# Altium PCB pcb_88.PcbDoc (part 3 of 3) (continued)
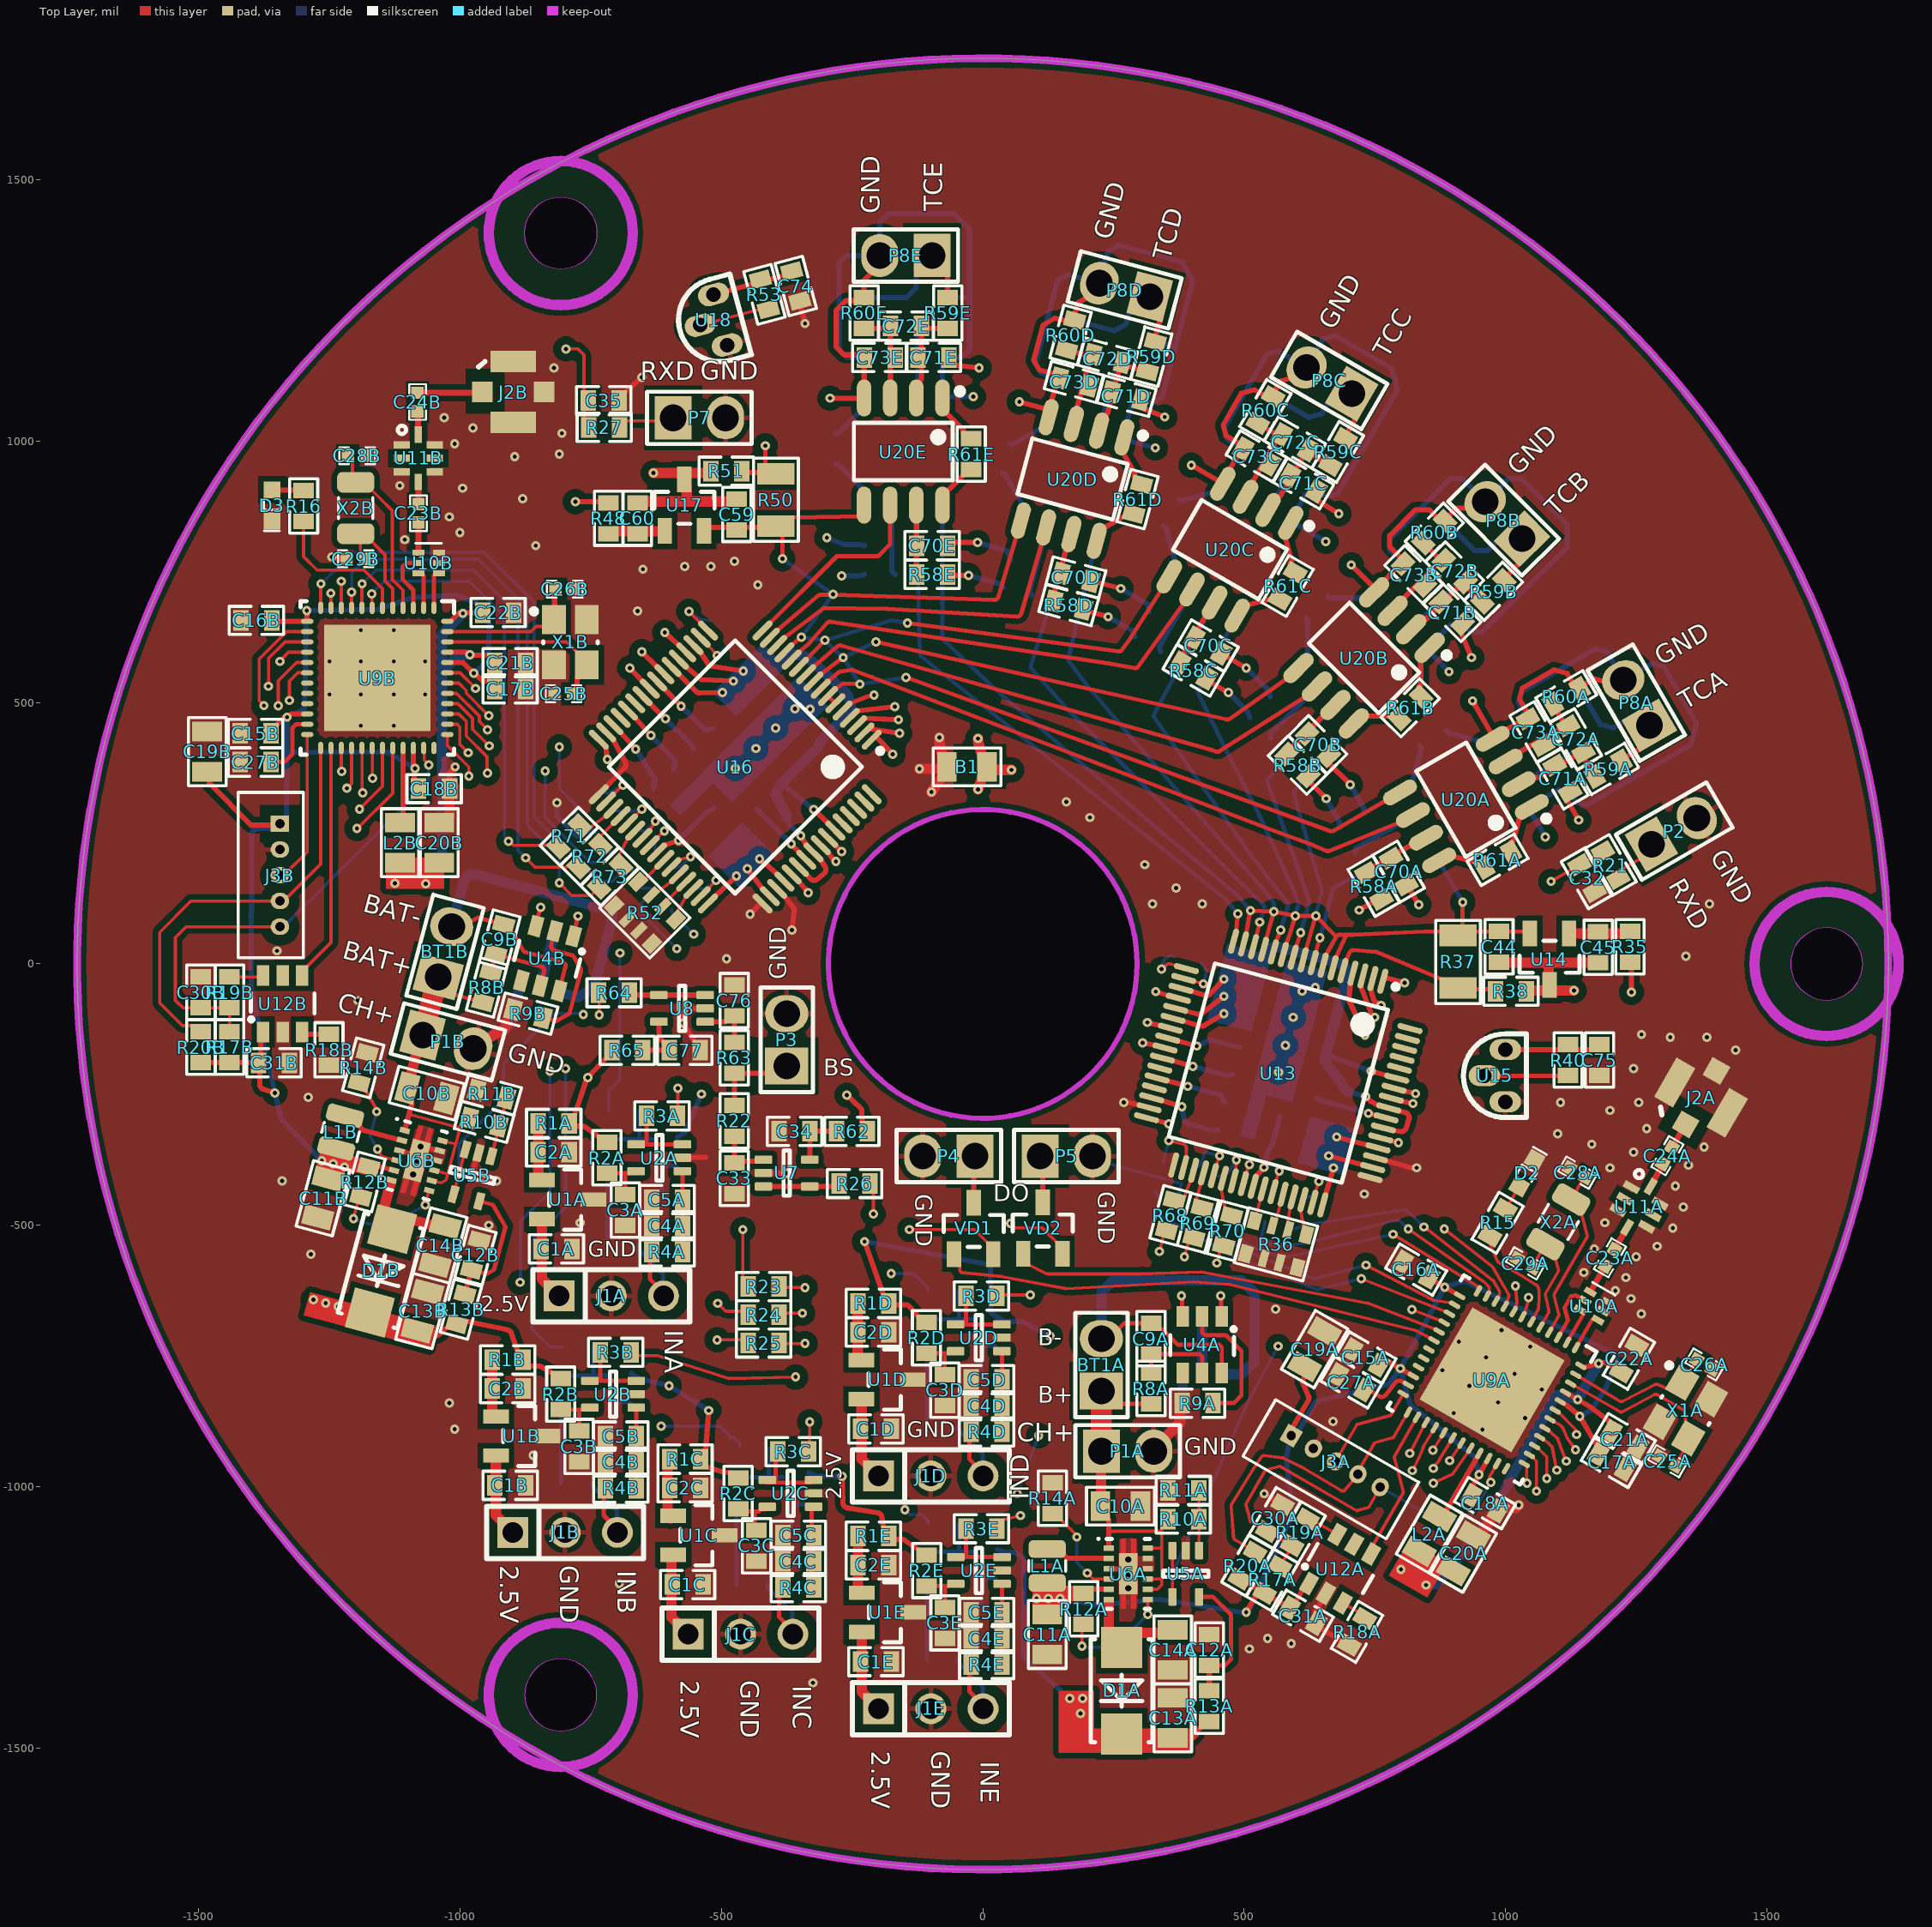
[diagram p0: Top Layer view]
## Nets (pads, with @x,y where several pads share a name; then routed paths per layer and width w, separated by ;. In a path a pad name is that pad's centre, name@x,y a point inside that pad or via, vN(x,y) a via of type N, cw(c..) or ccw(c..) an arc to the next point about the centre after c; other vN are vias at no path point) (continued)
  Bottom Layer w10: U19B.8@602.19,567.81 602.19,572.56 621.82,592.19 621.82,658.26 R57B.2@618.34,661.74
NetR57C_1: R57C.1 U19C.1 | length 93.5
  Bottom Layer w10: R57C.1@375.51,888.43 379.77,885.97 448.18,904.3 U19C.1@457.06,919.68
NetR57C_2: R57C.2 U19C.8 | length 103.5
  Bottom Layer w10: R57C.2@345.98,837.29 350.24,834.83 367.34,771.01 353.46,746.97 U19C.8@354.69,742.38
NetR57D_1: R57D.1 U19D.1 | length 93.5
  Bottom Layer w10: R57D.1@52.83,995.13 57.59,993.86 118.92,1029.27 U19D.1@123.52,1046.42
NetR57D_2: R57D.2 U19D.8 | length 103.5
  Bottom Layer w10: R57D.2@37.55,938.09 42.3,936.81 75.34,879.59 68.15,852.78 U19D.8@70.53,848.67
NetR57E_1: R57E.1 U19E.1 | length 93.5
  Bottom Layer w10: R57E.1@-282,1014.53 -277.08,1014.53 -227,1064.61 U19E.1@-227,1082.36
NetR57E_2: R57E.2 U19E.8 | length 103.5
  Bottom Layer w10: R57E.2@-282,955.47 -277.08,955.47 -230.36,908.75 -230.36,881 U19E.8@-227,877.64
NetR61A_1: R61A.1 U20A.1 | length 103.5
  Top Layer w10: R61A.1@1009.11,216.12 1006.65,220.39 1010.23,233.72 1015.51,236.78 1030.27,291.85 U20A.1@1049.02,302.67
NetR61A_2: R61A.2 U20A.8 | length 93.5
  Top Layer w10: U20A.8@871.72,200.31 887.1,209.19 955.51,190.86 R61A.2@957.97,186.6
NetR61B_1: R61B.1 U20B.1 | length 103.5
  Top Layer w10: R61B.1@836.87,512.58 833.39,516.06 833.39,529.87 837.71,534.18 837.71,591.2 U20B.1@853.02,606.51
NetR61B_2: R61B.2 U20B.8 | length 93.5
  Top Layer w10: U20B.8@708.26,461.75 720.81,474.3 791.63,474.3 R61B.2@795.11,470.82
NetR61C_1: R61C.1 U20C.1 | length 103.5
  Top Layer w10: U20C.1@586.96,844.68 576.13,825.93 590.89,770.86 587.84,765.57 591.41,752.23 R61C.1@595.67,749.77
NetR61C_2: R61C.2 U20C.8 | length 93.5
  Top Layer w10: U20C.8@484.6,667.38 493.47,682.76 561.88,701.09 R61C.2@566.15,698.63
NetR61D_1: R61D.1 U20D.1 | length 103.5
  Top Layer w10: U20D.1@268.41,1007.6 262.8,986.68 291.31,937.3 289.73,931.41 296.63,919.45 R61D.1@301.39,918.18
NetR61D_2: R61D.2 U20D.8 | length 93.5
  Top Layer w10: U20D.8@215.42,809.85 220.01,827 281.35,862.41 R61D.2@286.1,861.13
NetR61E_1: R61E.1 U20E.1 | length 103.5
  Top Layer w10: U20E.1@-77,1082.36 -77,1060.71 -36.68,1020.39 -36.68,1014.29 -26.92,1004.53 R61E.1@-22,1004.53
NetR61E_2: R61E.2 U20E.8 | length 93.5
  Top Layer w10: U20E.8@-77,877.64 -77,895.39 -26.92,945.47 R61E.2@-22,945.47
NetR64_1: R64.1 U8.3 U8.4 | length 146.6
  Top Layer w10: R64.1@-675.47,-55 -671.06,-59.41 U8.3@-530.71,-59.41
NetR64_2: R64.2 U9B.43 | length 910.8
  Top Layer w6: U9B.43@-1024.14,556.84 -999.84,556.84 v1(-970,527) ; R64.2@-734.53,-55 -733.65,-55.88 v1(-733.65,-97.81)
  Layer 2 w6: v1(-970,527) -863,420 -863,327 -639,103 -639,-3.16 v1(-733.65,-97.81)
NetR66_1: R66.1 U16.17 | length 97.3
  Top Layer w6: v1(-562,674) -538.72,650.94 U16.17@-525.49,637.72
  Bottom Layer w6: v1(-562,674) -540.71,660.1 R66.1@-520.59,656.62
NetR67_1: R67.1 U16.18 | length 85
  Top Layer w6: U16.18@-539.41,623.8 -526.19,610.57 v1(-508,590)
  Bottom Layer w6: v1(-508,590) -489.3,608.7 R67.1@-478.16,614.19
NetR68_1: R68.1 U13.35 | length 74.2
  Top Layer w6: R68.1@366.64,-452.48 385.8,-445.43 398.49,-412.74 U13.35@403.33,-394.68
NetR68_2: R68.2 U9A.7 | length 876.7
  Top Layer w6: v1(338,-550) 345.97,-520.26 R68.2@351.36,-509.52 ; U9A.7@1032.58,-674.67 1036.12,-668.53 1044.14,-641.86 1045,-639 v1(1044,-638)
  Layer 2 w6: 334,-570.99 ccw(c339.9,-572.08) 333.99,-571.06 332.02,-582.23 ccw(c337.93,-583.28) 336.77,-589.16 593.91,-640.98 ; 334.01,-570.96 v1(338,-550) ; 593.93,-640.99 ccw(c595.09,-635.1) 594.11,-641.02 763.43,-669.57 ccw(c764.43,-663.65) 768.07,-668.42 870.63,-590.23 872.24,-589 875.34,-589 1022.88,-643.57 1024.81,-643.57 1025.63,-643.33 v1(1044,-638)
NetR69_1: R69.1 U13.36 | length 72.5
  Top Layer w6: R69.1@419.28,-466.96 408.39,-451.86 417.5,-417.83 U13.36@422.35,-399.77
NetR69_2: R69.2 U9A.8 | length 787.4
  Top Layer w6: v1(386,-560) 393.16,-533.27 R69.2@404,-524 ; U9A.8@1015.53,-664.83 1019.08,-658.69 1021.66,-650.12 ccw(c1015.92,-648.38) 1021.89,-647.84 v1(1019,-616)
  Layer 2 w6: v1(386,-560) 390.16,-577.49 ccw(c396,-576.1) 394.51,-581.91 475.81,-602.95 ; 475.83,-602.96 ccw(c477.31,-597.14) 476.17,-603.03 742.46,-653.52 ; 742.49,-653.52 ccw(c743.57,-647.62) 747.07,-652.5 824.98,-596.02 ; v1(1019,-616) 874.03,-563.11 ccw(c871.97,-568.74) 868.41,-563.92 825.02,-595.98 ; 824.98,-596.02 ccw(c821.46,-591.16) 825.02,-595.98
NetR70_1: R70.1 U13.38 | length 78.1
  Top Layer w6: U13.38@460.37,-409.96 455.53,-428.02 463.21,-466.28 R70.1@476.28,-481.96
NetR70_2: R70.2 U9A.9 | length 723.7
  Top Layer w6: v1(448,-572) 454.08,-549.32 R70.2@461,-539 ; v1(883,-507) 974.09,-578.29 cw(c970.39,-583.01) 975.56,-579.97 ; 975.58,-580 1005.63,-631.65 cw(c1000.45,-634.67) 1006.15,-636.55 ; U9A.9@998.49,-654.99 1002.03,-648.85 1006.14,-636.58
  Layer 2 w6: v1(448,-572) 722.83,-631.75 ccw(c724.07,-625.88) 727.81,-630.57 v1(883,-507)
NetR71_1: R71.1 U16.35 | length 76.6
  Top Layer w6: R71.1@-770.12,264.88 -750,261.4 -719.67,283.47 U16.35@-706.45,296.69
NetR71_2: R71.2 U9B.7 | length 852.5
  Top Layer w6: v1(-1168.91,707.65) -1168.38,707.12 -1168.38,681.39 U9B.7@-1167.84,680.86 ; v1(-906.86,234.64) -905.52,234.64 -897.49,226.6 -815.36,226.6 R71.2@-811.88,223.12
  Bottom Layer w6: v1(-1168.91,707.65) -1144.56,732 -982,732 -915,665 -915,244.01 -906.86,235.87 v1(-906.86,234.64)
NetR72_1: R72.1 U16.36 | length 72
  Top Layer w6: R72.1@-731.12,226.88 -731.45,243.85 U16.36@-692.53,282.77
NetR72_2: R72.2 U9B.8 | length 973.8
  Top Layer w6: U9B.8@-1187.53,680.86 -1187.53,726.47 v1(-1187,727) ; v1(-874.13,202.87) -856.38,185.12 -796.48,185.12 -793,188.6 -776.36,188.6 R72.2@-772.88,185.12
  Bottom Layer w6: v1(-1187,727) -1161,753 -973,753 -889,669 -889,217.5 -874.37,202.87 v1(-874.13,202.87)
NetR73_1: R73.1 U16.38 | length 77.2
  Top Layer w6: R73.1@-692.12,187.88 -695.6,208 -677.91,241.71 U16.38@-664.69,254.93
NetR73_2: R73.2 U9B.9 | length 1095.5
  Top Layer w6: U9B.9@-1207.21,680.86 -1207.21,710.79 v1(-1207,711) ; v1(-810,155) -786,131 -749,131 R73.2@-733.88,146.12
  Bottom Layer w6: v1(-1207,711) -1207,748 -1181,774 -965,774 -871.13,680.13 -871.13,265.13 -810,204 v1(-810,155)
NetU5A_3: U5A.3 U5A.4 U9A.42 | length 1256.8
  Top Layer w6: U5A.4@362.82,-1210.58 U5A.3@362.82,-1122 ; U9A.42@1085.18,-870.97 1091.32,-874.51 1105.24,-882.55 1105.78,-883.09 1108.5,-885.81 1109.3,-886.61 1118.73,-907.98 v1(1133.86,-929)
  Layer 2 w6: v1(565,-731) 792,-811.88 870.7,-811.88 cw(c870.17,-817.86) 873.1,-812.63 ; 873.13,-812.64 952.91,-857.95 cw(c949.95,-863.17) 953.06,-858.04 ; 953.09,-858.05 1014.26,-895.54 1015.82,-896.23 1089.86,-916.69 1113.06,-924.17 v1(1133.86,-929)
  Bottom Layer w6: v1(363,-1166) 509.05,-834.58 520.89,-812.66 v1(565,-731)
NetU5B_3: U5B.3 U5B.4 U9B.42 | length 1358
  Top Layer w6: U9B.42@-1024.14,537.16 -1002.16,537.16 -987.86,522.86 -987.86,517.86 v1(-945,475) ; U5B.4@-1012.22,-440.48 -1001.91,-402.02 U5B.3@-989.29,-354.92
  Layer 2 w6: v1(-945,475) -880,410 -880,309 -673,102 -673,-5 -764,-96 v1(-764,-97)
  Bottom Layer w6: v1(-1002,-402) -1002,-345 -917,-260 -917,-192 -820,-95 -766,-95 v1(-764,-97)
NetU9A_1: U9A.1 U10A.4 | length 74
  Top Layer w8: U9A.1@1134.87,-733.73 1166.17,-679.51 1171.44,-678.1 U10A.4@1176.55,-681.05
NetU9A_2: U9A.2 U10A.3 | length 74
  Top Layer w8: U9A.2@1117.82,-723.88 1149.04,-669.81 1147.57,-664.32 U10A.3@1142.46,-661.37
NetU9A_3: U9A.3 U10A.2 | length 117.7
  Top Layer w8: U9A.3@1100.77,-714.04 1119.42,-681.74 1112.88,-657.32 1125.38,-635.67 1133.53,-633.49 U10A.2@1152.3,-644.32
NetU9A_17: U9A.17 VD2.1 | length 828.8
  Top Layer w6: VD2.1@77.6,-554.21 88.38,-575.82 121.71,-592.36 124.41,-593 300.9,-593 ccw(c300.9,-587) 301.1,-593 417.56,-589.05 417.66,-589.05 418.32,-589.05 737.1,-648.81 737.62,-649.02 866.88,-699.47 U9A.17@873.02,-703.02
NetU9A_18: U9A.18 VD1.1 | length 961.3
  Top Layer w6: VD1.1@-54.8,-555 -44.02,-576.61 -44.01,-584.57 ; -44.01,-584.61 ccw(c-38.01,-584.56) -38.63,-590.53 36.74,-597.97 ; 36.77,-597.98 cw(c36.15,-603.95) 37.26,-598.05 158.29,-620.87 ccw(c159.4,-614.97) 159.72,-620.96 402.62,-608.02 ; 402.66,-608.02 cw(c402.94,-614.01) 403.38,-608.03 471.98,-613.02 472.49,-613.05 826.98,-700.56 827.64,-700.9 827.74,-700.96 857.03,-716.52 U9A.18@863.17,-720.06
NetU9A_19: U9A.19
NetU9A_20: U9A.20
NetU9A_21: U9A.21
NetU9A_36: U9A.36
NetU9B_1: U9B.1 U10B.4 | length 74
  Top Layer w8: U9B.1@-1049.73,680.86 -1049.73,743.46 -1045.87,747.32 U10B.4@-1039.97,747.32
NetU9B_2: U9B.2 U10B.3 | length 74
  Top Layer w8: U10B.3@-1079.34,747.32 -1073.43,747.32 -1069.42,743.3 U9B.2@-1069.42,680.86
NetU9B_3: U9B.3 U10B.2 | length 120.7
  Top Layer w8: U9B.3@-1089.1,680.86 -1089.1,715.15 -1109.34,735.39 -1109.34,760.39 -1102.72,767 U10B.2@-1079.34,767
NetU9B_17: U9B.17 VD2.2 | length 2103.9
  Top Layer w6: v1(-1347.47,493.93) -1347.47,541.72 -1312.67,576.53 U9B.17@-1291.86,576.53 ; v1(53,-496) 62,-505 114.02,-505 152.4,-543.39 VD2.2@152.4,-554.21
  Layer 1 w6: v1(-1347.47,493.93) -1343.99,525.09 cw(c-1334.05,524) -1334.05,534 -1299.51,534 -1203.73,433.71 -1203.68,433.66 -1202.59,432.57 -1136.75,411.94 -1135.3,410.49 -1134.98,410.02 -1096.28,352.88 ccw(c-1091.33,356.28) -1092.79,350.46 ; -1092.76,350.45 -1027.84,334.52 -738.01,176.1 cw(c-742.81,167.33) -734.69,173.16 ; -734.67,173.13 -436.7,-244.94 ccw(c-416.34,-230.43) -430.31,-251.17 -181.38,-418.88 cw(c-186.97,-427.17) -179.9,-420.1 -104,-496 v1(53,-496)
NetU9B_18: U9B.18 VD1.2 | length 1832.5
  Top Layer w6: v1(-1326,504) -1326,541 -1310.16,556.84 U9B.18@-1291.86,556.84 ; v1(-140,-508) -16.17,-508 20,-544.17 VD1.2@20,-555
  Layer 1 w6: v1(-1326,504) -1130.31,360.57 -1129.61,359.88 -1129.31,359.45 -1054.36,252.36 -1053.99,251.99 -844.07,42.07 -843.11,41.29 -751.46,-18.7 cw(c-754.74,-23.72) -750.62,-19.36 ; -750.6,-19.38 -582.31,-179.7 ccw(c-578.2,-175.34) -581.65,-180.25 ; -581.62,-180.26 -196.53,-447.63 cw(c-199.95,-452.56) -195.59,-448.44 ; -195.56,-448.47 v1(-140,-508)
NetU9B_19: U9B.19
NetU9B_20: U9B.20
NetU9B_21: U9B.21
NetU9B_36: U9B.36
REF_A: C44.2 R37.1 U13.6 U13.7 U13.9 U13.11 U13.13 U13.15 U14.2 U19A.5 U19B.5 U19C.5 U19D.5 U19E.5 | length 4105.8
  Top Layer w8: U13.15@498.95,38.24 503.79,56.3 v1(512,102) v1(557,100) ; U13.13@536.98,28.05 541.82,46.11 v1(557,100) ; U13.11@575.01,17.86 579.85,35.92 589.19,62.5 ccw(c581.64,65.16) 589.49,63.61 cw(c608,60) 589.95,65.47 v1(598,92) ; U13.9@613.04,7.67 617.88,25.73 v1(637,92) ; U13.7@651.07,-2.52 655.91,15.55 676.13,51.89 ; U13.6@670.08,-7.61 674.92,10.45 695.97,56 ; R37.1@909.18,54.59 R37.1@913.1,62 ; v1(918,118) 918,71.26 R37.1@913.1,62 ; U14.2@1046.6,58 1036.82,62 R37.1@913.1,62 ; v1(557,100) v1(598,92) ; v1(598,92) v1(637,92) ; v1(637,92) 676.13,51.89 ; 676.13,51.89 cw(c683.12,48) 683.12,56 695.97,56 ; 695.97,56 708.83,56 ccw(c708.83,64) 709.18,56.01 844.82,61.99 cw(c845.18,54) 845.18,62 R37.1@913.1,62
  Bottom Layer w8: U19E.5@-77,877.64 -77,855.98 -77,624.44 ccw(c-69,624.44) -74.53,618.65 ; -74.51,618.63 20.89,528.11 ccw(c26.37,533.94) 21.12,527.9 ; 21.15,527.87 341.96,252.03 ccw(c347.16,258.12) 342.04,251.97 444.98,167.02 487.44,131.47 cw(c482.3,125.34) 488.45,130.46 v1(512,102) ; 198.11,534.87 cw(c204.24,540.01) 197.9,535.14 165.3,577.98 cw(c171.67,582.82) 163.88,584.67 212.29,788.27 U19D.5@217.89,809.18 ; 198.14,534.84 297.95,417.06 ccw(c304.07,422.21) 298.01,416.99 ; 298.03,416.96 538.86,140.16 cw(c532.83,134.91) 539.11,139.85 ; 466.02,406.97 cw(c473.16,410.57) 465.98,407.03 412.76,516.38 cw(c419.95,519.88) 412.83,523.52 475.99,647.35 U19C.5@486.81,666.1 ; 466.04,406.93 529.92,282.15 cw(c522.8,278.51) 530.06,281.86 595.86,138.29 cw(c588.59,134.96) 596.1,137.73 ; 539.13,139.84 555.3,119.17 cw(c549,114.24) 557,114.24 v1(557,100) ; 595.96,325.96 599.97,309.13 ccw(c607.74,311.02) 600.04,308.87 632,197 ; 595.96,325.99 cw(c603.75,327.81) 597.71,333.06 694.76,444.62 U19B.5@710.07,459.93 ; 596.11,137.7 603.16,118.3 cw(c595.64,115.57) 603.41,113.65 v1(598,92) ; 632.01,196.96 648.37,142.1 cw(c640.71,139.81) 648.47,137.89 ; v1(637,92) 648.47,137.87 ; U19A.5@873,198.09 872.07,197.55 v1(918,118)
REF_B: C59.2 R50.1 U16.6 U16.7 U16.9 U16.11 U16.13 U16.15 U17.2 U20A.5 U20B.5 U20C.5 U20D.5 U20E.5 | length 4473
  Top Layer w8: U16.15@-407.18,623.8 -393.96,637.02 -315.19,704.09 cw(c-310,698) -310,706 -305,706 v1@-287.13,706 ; v1(-383,775) -383,820.53 R50.1@-395.56,837.2 -364.13,853.87 -227,855.98 U20E.5@-227,877.64 ; U16.13@-379.34,595.96 -366.12,609.18 v1(-347,625) ; U16.11@-351.5,568.12 -338.28,581.34 v1(-302,619) ; U16.9@-323.66,540.28 -310.44,553.5 v1(-267,586) ; v1@-286.03,705.97 21.89,696.19 ccw(c22.11,704.19) 29.76,701.86 ; U16.6@-266.66,513.33 -268.68,511.74 U16.6@-281.9,498.52 U16.7@-295.82,512.44 -282.6,525.66 -266.38,536.47 -238.82,536.03 cw(c-238.95,528.03) -235.37,535.19 v1(-235,535) ; v1(-204,616) 466.53,467.77 ccw(c468.28,475.57) 472.89,469.04 588.69,550.69 U20B.5@604,566 ; v1(-147,548) 664.55,254.24 ccw(c667.21,261.78) 671.19,254.84 779.25,317.17 U20A.5@798,328 ; v1(-144,652) -32.99,637 132.98,615 259.26,597.65 ccw(c260.32,605.58) 266.81,600.91 280.7,620.21 346.08,722.35 U20C.5@356.91,741.1 ; 29.77,701.89 67.4,827.09 U20D.5@73,848
  Top Layer w10: U17.2@-533.16,828.18 -524.38,835.2 -426,835.2 R50.1@-395.56,837.2
  Bottom Layer w8: v1(-383,775) -379,772 -378.89,771.92 v1(-286,707) v1(-347,625) v1(-302,619) ; v1(-204,616) v1(-267,586) ; v1(-147,548) v1(-235,535) v1(-267,586) ; v1(-144,652) -173.19,656.71 ccw(c-174.46,648.81) -176.76,656.47 v1(-302,619) ; v1(-302,619) v1(-267,586)
RESETA: C30A.1 J3A.5 R17A.1 R19A.2 U9A.35 | length 823.9
  Top Layer w6: R17A.1@568.69,-1152.57 R19A.2@591.67,-1112.78 C30A.1@544.03,-1085.28 512.6,-1067.13 503.43,-1032.92 540.93,-967.97 568.25,-960.65 715.47,-1045.65 737.95,-1039.62 J3A.5@760.4,-1000.75 ; v1(971.85,-991.59) 969.13,-981.43 U9A.35@983.96,-955.73
  Bottom Layer w6: J3A.5@760.4,-1000.75 881.55,-1070.69 934.35,-1056.55 v1(971.85,-991.59)
RESETB: C30B.1 J3B.5 R17B.1 R19B.2 U9B.35 | length 952.7
  Top Layer w6: R17B.1@-1440.54,-129.77 R19B.2@-1440.54,-83.82 ; R19B.2@-1440.54,-83.82 C30B.1@-1495.54,-83.83 -1530.13,-83.83 -1544.34,-69.61 -1544.34,50.39 -1523.55,71.17 J3B.5@-1344.34,71.17 ; U9B.35@-1069.42,413.14 -1068.76,412.48 -1068.76,402.96 -1068.29,402.49 -1068.29,389.95 -1059.53,381.18 v1(-1059.53,380.57)
  Bottom Layer w6: J3B.5@-1344.34,71.17 -1336.79,71.17 -1059.53,348.43 v1(-1059.53,380.57)
TCKCA: J3A.4 R20A.2 U9A.25 | length 601.1
  Top Layer w6: 475.15,-1036.94 479.75,-1096.81 ccw(c485.74,-1096.39) 482.71,-1101.56 ; 475.15,-1036.92 cw(c481.13,-1036.48) 476.02,-1033.34 514.94,-970.09 cw(c520.05,-973.24) 515.06,-969.91 525,-955 532.94,-943.09 cw(c537.94,-946.41) 538.68,-940.46 573.98,-944.87 ; 482.74,-1101.58 507.2,-1115.71 R20A.2@521.06,-1125.07 ; 574,-944.88 cw(c573.24,-950.83) 575.92,-945.46 614.79,-964.9 cw(c612.11,-970.26) 615.2,-965.12 665,-995 685.56,-1007.34 ; 685.58,-1007.35 ccw(c688.65,-1002.19) 693.25,-1006.04 716.79,-977.85 J3A.4@717.78,-976.14 716.96,-973.08 750.16,-915.56 785.28,-906.15 U9A.25@813.48,-857.31
TCKCB: J3B.4 R20B.2 U9B.25 | length 821
  Top Layer w6: R20B.2@-1495.54,-129.77 -1507.3,-118 -1530.95,-118 -1574.34,-74.61 -1574.34,60.39 -1514.34,120.39 J3B.4@-1344.34,120.39 -1336.78,120.39 -1266.27,190.9 U9B.25@-1266.27,413.14
TMSCA: J3A.3 U9A.24 | length 195.9
  Top Layer w6: J3A.3@675.16,-951.54 716,-880.8 780.32,-863.56 U9A.24@804.12,-822.35
TMSCB: J3B.3 U9B.24 | length 295.3
  Top Layer w6: J3B.3@-1344.34,169.6 -1336.78,169.6 -1291.86,214.52 U9B.24@-1291.86,438.73
V+: C13A.2 C13B.2 C42.1 C43.1 C57.1 C58.1 C74.1 C75.1 D1A.2 D1B.2 R1A.1 R1B.1 R1C.1 R1D.1 R1E.1 R2A.2 R2B.2 R2C.2 R2D.2 R2E.2 R5A.2 R5B.2 R5C.2 R5D.2 R5E.2 R13A.2 R13B.2 R29.1 R35.1 R40.2 R42.1 R48.1 R53.2 R54A.2 R54B.2 R54C.2 R54D.2 R54E.2 R58A.2 R58B.2 R58C.2 R58D.2 R58E.2 R62.2 R65.2 U13.48 U13.50 U13.52 U15.3 U16.48 U16.50 U16.52 U18.3 | length 4001.3
  Top Layer w10: C13B.2@-1081.48,-701.25 -1044.21,-711.23 -1035.55,-706.23 -1034.28,-701.48 -1022.38,-694.61 R13B.2@-1005.73,-689.02 -989.02,-683.39 -909.18,-699.89 cw(c-911.21,-709.68) -901.78,-706.34 ; -901.77,-706.38 -889.11,-742.56 R1B.1@-879.35,-757.24 -869.58,-769.07 -849.3,-769.07 cw(c-849.3,-779.07) -844.27,-770.43 -821.71,-783.66 R2B.2@-807.02,-793.42 ; v1(-779,884) -730.25,884 R48.1@-715.56,881.92 ; -759.21,-312.33 -733.36,-331.42 R2A.2@-718.68,-341.18 ; -759.22,-312.31 ccw(c-765.15,-320.37) -765.15,-310.37 -781.24,-310.37 R1A.1@-791,-305 -781.24,-290.31 -757.64,-220.89 cw(c-748.17,-224.11) v1(-755.38,-217.17) -719.29,-179.69 R65.2@-709.53,-165 ; U16.48@-525.49,115.74 -512.27,128.96 v1(-471,168) ; v1(-524,-854) -530.24,-932.31 R1C.1@-540,-947 -530.24,-961.69 -499.5,-970.95 ccw(c-496.61,-961.37) -498,-971.27 ; U18.3@-514.79,1280.37 -505.13,1282.96 -423.99,1304.7 -378.29,1316.94 C74.1@-365.28,1325.12 ; -497.97,-971.28 -482.36,-973.42 R2C.2@-467.68,-983.18 ; v1(-450,182) -420.4,142.88 U16.50@-407.18,129.66 ; v1(-427,201) -428,203 -426.46,201.6 -423.55,198.95 -392.56,170.72 U16.52@-379.34,157.49 ; v1(-269,-980) -267.28,-1030.77 ccw(c-257.28,-1030.46) -258.92,-1040.33 -201.1,-1049.83 cw(c-202.72,-1059.7) -192.85,-1058.08 -189.34,-1079.72 R1E.1@-179.57,-1094.41 -169.81,-1100.32 -155.08,-1100.32 cw(c-155.08,-1110.32) -149.46,-1102.05 -121.94,-1120.83 R2E.2@-107.25,-1130.59 ; v1(-260,-251) -234.14,-275.08 cw(c-240.95,-282.4) -230.95,-282.25 ; -230.95,-282.29 -230.71,-305.31 R62.2@-220.94,-320 ; v1(-226,-531) -189.61,-634.61 R1D.1@-179.85,-649.29 -170.09,-651.67 -147.82,-651.67 cw(c-147.82,-661.67) -140.33,-655.05 ; -140.3,-655.08 -122.21,-675.71 R2D.2@-107.53,-685.47 ; R58E.2@-67.47,745 -57.71,743 v1(-27,743) ; R58D.2@192.77,678.6 201.71,674.26 v1(240,664) ; C13A.2@363.41,-1480.39 401.99,-1480.39 409.06,-1473.31 409.06,-1468.39 428.49,-1448.97 R13A.2@433.41,-1448.97 ; R58C.2@428.75,546.47 435.62,538.85 v1(470,519) ; R58B.2@623.01,359.41 625.21,347.79 v1(657,316) ; U13.48@655.36,-442.85 661.94,-421.97 ccw(c643,-416) 662.11,-421.41 v1(671,-390) ; v1(662,-367) 727.96,-384.86 U13.50@746.02,-389.7 ; v1(677,-331) 738.15,-346.83 U13.52@756.21,-351.67 ; v1(720,103) 748.34,119.36 R58A.2@762.9,123.52 ; U15.3@999.58,-163.76 1164.89,-163.76 C75.1@1179.58,-154.24 ; R35.1@1238,3.47 1241,-6.29 v1(1241,-54)
  Bottom Layer w10: R5B.2@-672.02,-783.42 -657.34,-793.19 v1(-600,-807) v1(-524,-854) ; R5A.2@-583.68,-331.18 -568.99,-321.42 -539.12,-251.28 -539,-251 v1(-538,-249) ; R5C.2@-332.68,-973.18 -317.99,-980 v1(-269,-980) ; v1(-270,742) -236.29,742 R54E.2@-226.53,745 ; v1(-226,-531) 6.86,-573.69 ; v1(-27,743) 31.08,727.44 R54D.2@39.13,719.76 ; 6.89,-573.7 cw(c5.05,-583.53) 15.05,-583.53 15.05,-665.71 R5D.2@27.47,-675.47 42.16,-684 73.52,-684 cw(c73.52,-694) 78.19,-685.16 v1(129,-712) ; R5E.2@27.75,-1120.59 42.43,-1125 57.97,-1125 cw(c57.97,-1135) 63.54,-1126.69 74.52,-1134.01 ; 74.54,-1134.03 cw(c68.97,-1142.33) 78.97,-1142.39 78.02,-1320.53 ccw(c88.02,-1320.58) 81.34,-1328.02 ; 81.35,-1328.03 v1(166.5,-1405) ; v1(240,664) 286.25,637.3 R54C.2@291,626 ; v1(470,519) 506.93,482.07 R54B.2@510.55,471.88 ; v1(657,316) 682.41,271.99 R54A.2@683.37,261.27
  other v1: 187.13,-1433.37 191,-1405 -1233.1,-655.05 -1256.76,-648.7 -1280.43,-642.36
VCCA: C11A.2 C15A.2 C16A.2 C17A.2 C18A.2 C19A.2 C31A.2 J3A.1 L1A.2 R12A.2 R17A.2 R20A.1 U6A.5 U9A.13 U9A.22 U9A.34 U9A.44 U12A.1 | length 2822.5
  Top Layer w10: L1A.2@123.41,-1184.05 143.93,-1184.05 155.89,-1196 U6A.5@241.03,-1196 ; R20A.1@491.53,-1176.22 R17A.2@539.17,-1203.72 ; v1(504,-1240) 523.62,-1206.02 R17A.2@539.17,-1203.72 ; J3A.1@589.92,-902.32 591.61,-888.62 622.4,-835.29 ccw(c613.74,-830.29) 622.96,-826.4 610.95,-797.95 617.38,-786.82 C19A.2@615.7,-770.03 ; U12A.1@623.95,-1185 618.08,-1186.58 592.84,-1230.29 C31A.2@586.97,-1231.86 586.8,-1231.22 R17A.2@539.17,-1203.72 ; C15A.2@757.88,-767.38 773.68,-759.55 v1(798.74,-773.9) U9A.22@823.8,-788.25 ; C16A.2@854.4,-599.35 855.04,-601.72 v1(883.71,-618.27) U9A.13@912.39,-634.83 ; C18A.2@933.38,-1014.45 931.56,-1007.67 v1(949.29,-976.97) 967.01,-946.27 U9A.34@966.91,-945.89 ; U9A.44@1104.86,-836.87 1119.01,-845.36 v1(1142,-865) 1176.82,-925.16 C17A.2@1177.61,-937.55
  Bottom Layer w10: v1(103,-1214) v1(125.5,-1214) v1(148,-1214) 216.71,-1225.78 ; 216.74,-1225.78 ccw(c218.39,-1215.92) 219.29,-1225.88 336.75,-1215.11 ; 336.78,-1215.11 cw(c337.66,-1225.07) 339.24,-1215.2 499.43,-1240.79 ccw(c501.01,-1230.92) 510.13,-1235.01 591.32,-1053.84 592.19,-1051.89 592.19,-1049.18 580.41,-945.35 580.37,-944.99 580.37,-944.45 580.37,-943.29 586.9,-915.26 J3A.1@589.92,-902.32 602.93,-895.15 634.27,-840.87 cw(c642.93,-845.87) 640.59,-836.15 772.52,-804.83 ccw(c770.19,-795.1) 778.17,-801.13 v1(798.74,-773.9) ; 924.61,-607.76 ccw(c920.27,-616.77) 917.15,-607.27 v1(883.71,-618.27) v1(798.74,-773.9) ; 924.65,-607.77 1208.56,-745.9 cw(c1204.19,-754.89) 1213.44,-758.68 1192.36,-810.13 cw(c1183.1,-806.33) 1191.5,-811.76 ; v1(949.29,-976.97) 941.8,-946.27 ccw(c932.08,-948.64) 938.39,-940.88 820.47,-845.01 cw(c826.78,-837.25) 817.15,-839.97 v1(798.74,-773.9) ; v1(1142,-865) 1161.57,-855.21 ccw(c1157.1,-846.27) 1165.48,-851.73 1191.48,-811.79
VCCB: C11B.2 C15B.2 C16B.2 C17B.2 C18B.2 C19B.2 C31B.2 J3B.1 L1B.2 R12B.2 R17B.2 R20B.1 U6B.5 U9B.13 U9B.22 U9B.34 U9B.44 U12B.1 | length 2869.5
  Top Layer w10: R20B.1@-1495.54,-188.82 -1385.54,-188.82 -1380.77,-184.05 -1380.77,-134.52 U12B.1@-1376.47,-130.22 ; C19B.2@-1483.34,367.61 -1479.34,353.91 -1479.34,345.39 -1399.34,265.39 -1346.98,265.39 J3B.1@-1344.34,268.02 ; C31B.2@-1385.07,-189.3 -1383,-203.98 -1383,-229.87 ccw(c-1373,-229.87) -1376.22,-239.34 v1(-1354,-247) ; C15B.2@-1361.53,441 -1361.53,445.92 -1336.96,470.49 -1332.12,470.49 v1(-1330.65,471.97) -1328.56,471.97 -1322.42,478.1 U9B.22@-1291.86,478.1 ; C16B.2@-1359.81,657 -1358.08,655.27 U9B.13@-1291.86,655.27 v1(-1293,676) ; L1B.2@-1236.6,-352.89 -1216.78,-358.2 -1208.33,-372.84 -1179.24,-380.63 U6B.5@-1126.08,-394.88 ; U9B.34@-1089.1,413.14 -1089.1,379.28 -1085.82,376 v1(-1085.82,373.91) -1087.29,372.43 -1087.29,356.17 -1086.34,353.49 -1086.34,350.07 C18B.2@-1082.79,343.54 ; U9B.44@-1024.14,576.53 -994.03,576.53 -973.41,555.91 v1(-973.34,555.91) -971.25,555.91 -962.2,546.86 -961.77,546.86 -955.6,540.69 -943.35,540.69 -933.58,530.92 C17B.2@-933.58,526
  Bottom Layer w10: -1342.63,-294.29 ccw(c-1332.89,-292.01) -1340.06,-298.98 v1(-1264.07,-376.54) v1(-1242.33,-382.36) v1(-1220.6,-388.19) ; -1342.63,-294.26 -1353.61,-246.91 -1398.75,-52.09 cw(c-1389,-49.87) -1399,-49.87 -1398.02,247.52 cw(c-1388.02,247.45) -1390.77,257.07 -1385.37,258.61 cw(c-1382.6,249) -1382.6,259 -1357.06,259 J3B.1@-1344.34,268.02 -1331.62,278.77 -1330.99,404 ; -1135.63,403.59 ccw(c-1140.73,394.99) -1140.78,404.99 -1330.99,404 ; -1135.61,403.58 v1(-1085.82,373.91) ; -1004.13,704.31 ccw(c-1007.55,694.91) -1008.03,704.9 -1087.58,701.07 ccw(c-1087.1,691.08) -1090.35,700.54 -1156,678 v1(-1293,676) -1296.87,494.16 cw(c-1306.87,494.38) -1302.59,485.34 v1(-1330.65,471.97) -1330.99,404 ; -1004.09,704.3 -971.27,692.2 cw(c-974.73,682.82) -966.2,688.05 -944.62,652.66 cw(c-953.16,647.46) -943.18,646.93 ; v1(-973.34,555.91) -950,577.25 ccw(c-956.75,584.63) -946.77,584.06 -943.18,646.89
pads on no net: U4A.4 U4B.4 U11A.2 U11A.6 U11B.2 U11B.6 U12A.5 U12B.5 U13.27 U13.29 U13.60 U13.61 U13.62 U13.63 U13.64 U16.27 U16.29 U16.60 U16.61 U16.62 U16.63 U16.64

## Polygon pours and split planes (outlines as drawn)
AGND on Layer 1 "AGND_L02_P001" (solid, remove dead copper, pour order 1): -776,363 -776,476 -716,536 -716,962 -701,977 -461,977 -305,1133 -305,1689 -192,1802 1172,1802 1838,1136 1838,-71 1810,-99 923,-99 861,-161 861,-309 722,-448 400,-448 205.57,-253.57 151.98,-253.57 -133.59,32 -445,32
GND on Layer 1 "GND_L02_P003" (solid, remove dead copper, pour order 3): -1732.28,0 ccw(c0,0) 0,-1732.28 ccw(c0,0) 1732.28,0 ccw(c0,0) 0,1732.28 ccw(c0,0)
GND on Top Layer "GND_L01_P002" (solid, remove dead copper, pour order 2): -1732.28,0 ccw(c0,0) 0,-1732.28 ccw(c0,0) 1732.28,0 ccw(c0,0) 0,1732.28 ccw(c0,0)
GND on Bottom Layer "GND_L04_P004" (solid, remove dead copper, pour order 4): -1732.28,0 ccw(c0,0) 0,-1732.28 ccw(c0,0) 1732.28,0 ccw(c0,0) 0,1732.28 ccw(c0,0)
V+ on Layer 2 "V+_L03_P000" (solid, remove dead copper, pour order 0): -1732.28,0 ccw(c0,0) 0,-1732.28 ccw(c0,0) 1732.28,0 ccw(c0,0) 0,1732.28 ccw(c0,0)

## Keep-outs
Bottom Layer:
  circle w20: c0,0 r1515.75
Keep-Out Layer:
  circle w20: c-807.09,-1397.91 r137.8
  circle w20: c-807.09,1397.91 r137.8
  circle w20: c1614.17,0 r137.8
  circle w15: c0,0 r1732.28
  circle w10: c0,0 r295.28

## Other copper
Top Layer:
  rectangle net V+: 145,-1509 213,-1390
  rectangle net NetC20B_2: -1141.34,143.39 -1030.34,203.39
  region net NetC20A_2: 850.25,-1212.31 889.11,-1144.99 815.5,-1102.49 776.64,-1169.81
  region net NetC14A_2: 292.4,-1269.33 292.4,-1289.33 352.4,-1289.33 352.4,-1269.33
  region net NetC14B_2: -1107.72,-474.68 -1112.9,-494 -1054.95,-509.53 -1049.77,-490.21
  region net NetC14B_2: -1156.22,-468.59 -1136.9,-473.77 -1121.37,-415.81 -1140.69,-410.63
  region net VCCB: -1279.57,-403.49 -1225.48,-417.99 -1208.9,-356.12 -1263,-341.63
  region net VCCB: -1245.65,-386.65 -1173.6,-405.96 -1165.83,-376.98 -1237.88,-357.67
  region net V+: -1298.88,-672.62 -1057.4,-737.32 -1045.24,-691.92 -1286.72,-627.22
  rectangle net V+: 146,-1509 396,-1462
  rectangle net VCCA: 123.41,-1219 198,-1189
  rectangle net VCCA: 95,-1244.05 151,-1180
  rectangle net NetC14A_2: 231,-1275 251,-1215
  pour cut-out: 1290.14,-313.29 1363.75,-355.79 1401.21,-290.91 1327.6,-248.41
  pour cut-out: -988.39,1138 -988.39,1053 -915,1053 -915,1138
  pour cut-out: -55,420 -55,335 45,335 45,420
Bottom Layer:
  region net V+: -460.27,271.86 -526.17,205.96 -465.12,144.91 -399.22,210.81
  region net AGND: -512.55,349.04 -533,369.49 -598.6,303.89 -578.15,283.44
  region net AGND: -295.61,493.11 -352.96,550.46 -536.79,366.63 -479.44,309.28
  region net NetC51_2: -471.2,473.2 -376.2,568.2 -421.5,613.5 -516.5,518.5
  region net AGND: 659.55,-13.79 581.21,7.2 513.92,-243.92 592.26,-264.91
  region net AGND: 543.71,-247.04 515.77,-239.55 491.76,-329.16 519.7,-336.65
  region net V+: 685.58,-403.34 709.7,-313.32 626.31,-290.97 602.19,-380.99
  region net NetC36_2: 553.11,15.95 467.78,38.82 428.67,-107.14 514,-130

## Silkscreen, mask and mechanical layers (free items; w line width, h text height)
Top Overlay:
  text "TCE" at -65.64,1440 h60 r90
  text "GND" at -185.64,1435 h60 r90
  text "GND" at 256.04,1379.68 h60 r75
  text "TCD" at 369.38,1340.16 h60 r75
  text "GND" at 680.61,1203.93 h60 r60
  text "TCC" at 784.45,1150.32 h60 r60
  text "GND" at -540,1105.64 h60
  text "RXD" at -655,1105 h60
  text "GND" at 1031.72,923.48 h60 r45
  text "TCB" at 1104.55,845.45 h60 r45
  text "GND" at 1303.29,559.39 h60 r30
  text "TCA" at 1349.68,475.55 h60 r30
  text "GND" at 1380.55,200.32 h60 r300
  text "RXD" at 1300,145 h60 r300
  text "BAT-" at -1190,90 h60 r345
  text "BAT+" at -1230,0 h60 r345
  text "GND" at -365.58,-30 h55 r90
  text "CH+" at -1239.84,-99.38 h60 r345
  text "GND" at -914.84,-194.38 h60 r345
  text "BS" at -305,-224.42 h55
  text "GND" at 210.58,-435 h55 r270
  text "GND" at -139.42,-440 h55 r270
  text "DO" at 20,-464.42 h55
  text "GND" at -755,-569.47 h50
  text "2.5V" at -960.05,-674.47 h50
  text "INA" at -620,-700 h60 r270
  text "B-" at 105,-740 h55
  text "B+" at 105,-850 h55
  text "GND" at -145,-914.47 h50
  text "CH+" at 65,-924.36 h60
  text "GND" at 385,-949.42 h55
  text "2.5V" at -260.53,-1025.05 h50 r90
  text "IND" at 100,-1025 h60 r90
  text "2.5V" at -934.36,-1149.94 h60 r270
  text "GND" at -819.36,-1150 h60 r270
  text "INB" at -710,-1160 h60 r270
  text "2.5V" at -589.36,-1369.94 h60 r270
  text "GND" at -474.36,-1370 h60 r270
  text "INC" at -374.36,-1380 h60 r270
  text "2.5V" at -224.36,-1504.94 h60 r270
  text "GND" at -109.36,-1505 h60 r270
  text "INE" at -15,-1525 h60 r270
Top Solder:
  region: 1403.17,-294.15 1436,-237.28 1364.02,-195.72 1331.18,-252.59
  rectangle: -915,1045 -850,1140
Mechanical 1:
  circle w5: c0,0 r1732.28
  circle w5: c-807.09,-1397.91 r68.9
  circle w5: c-807.09,1397.91 r68.9
  circle w5: c1614.17,0 r68.9
  circle w5: c0,0 r295.28
Top 3D Body:
  lines w5.91: -776,363 -445,32 -133.59,32 151.98,-253.57 205.57,-253.57 400,-448 722,-448 861,-309 861,-161 923,-99 1729,-99 1810,-99 1838,-71 1838,1136 1172,1802 -192,1802 -305,1689 -305,1133 -461,977 -701,977 -716,962 -716,536 -776,476 -776,363

## Text inside footprints (layer, text, board x,y; h text height)
D2: Bottom 3D Body "K" at 1063.57,-376.66 h29.53 r60
D3: Bottom 3D Body "K" at -1367.33,845.76 h29.53 r270